# Allegro board A733_PRO3_AXP318_LPDDR5_FBGA315BALL_32X1_V2_0.brd (continued)
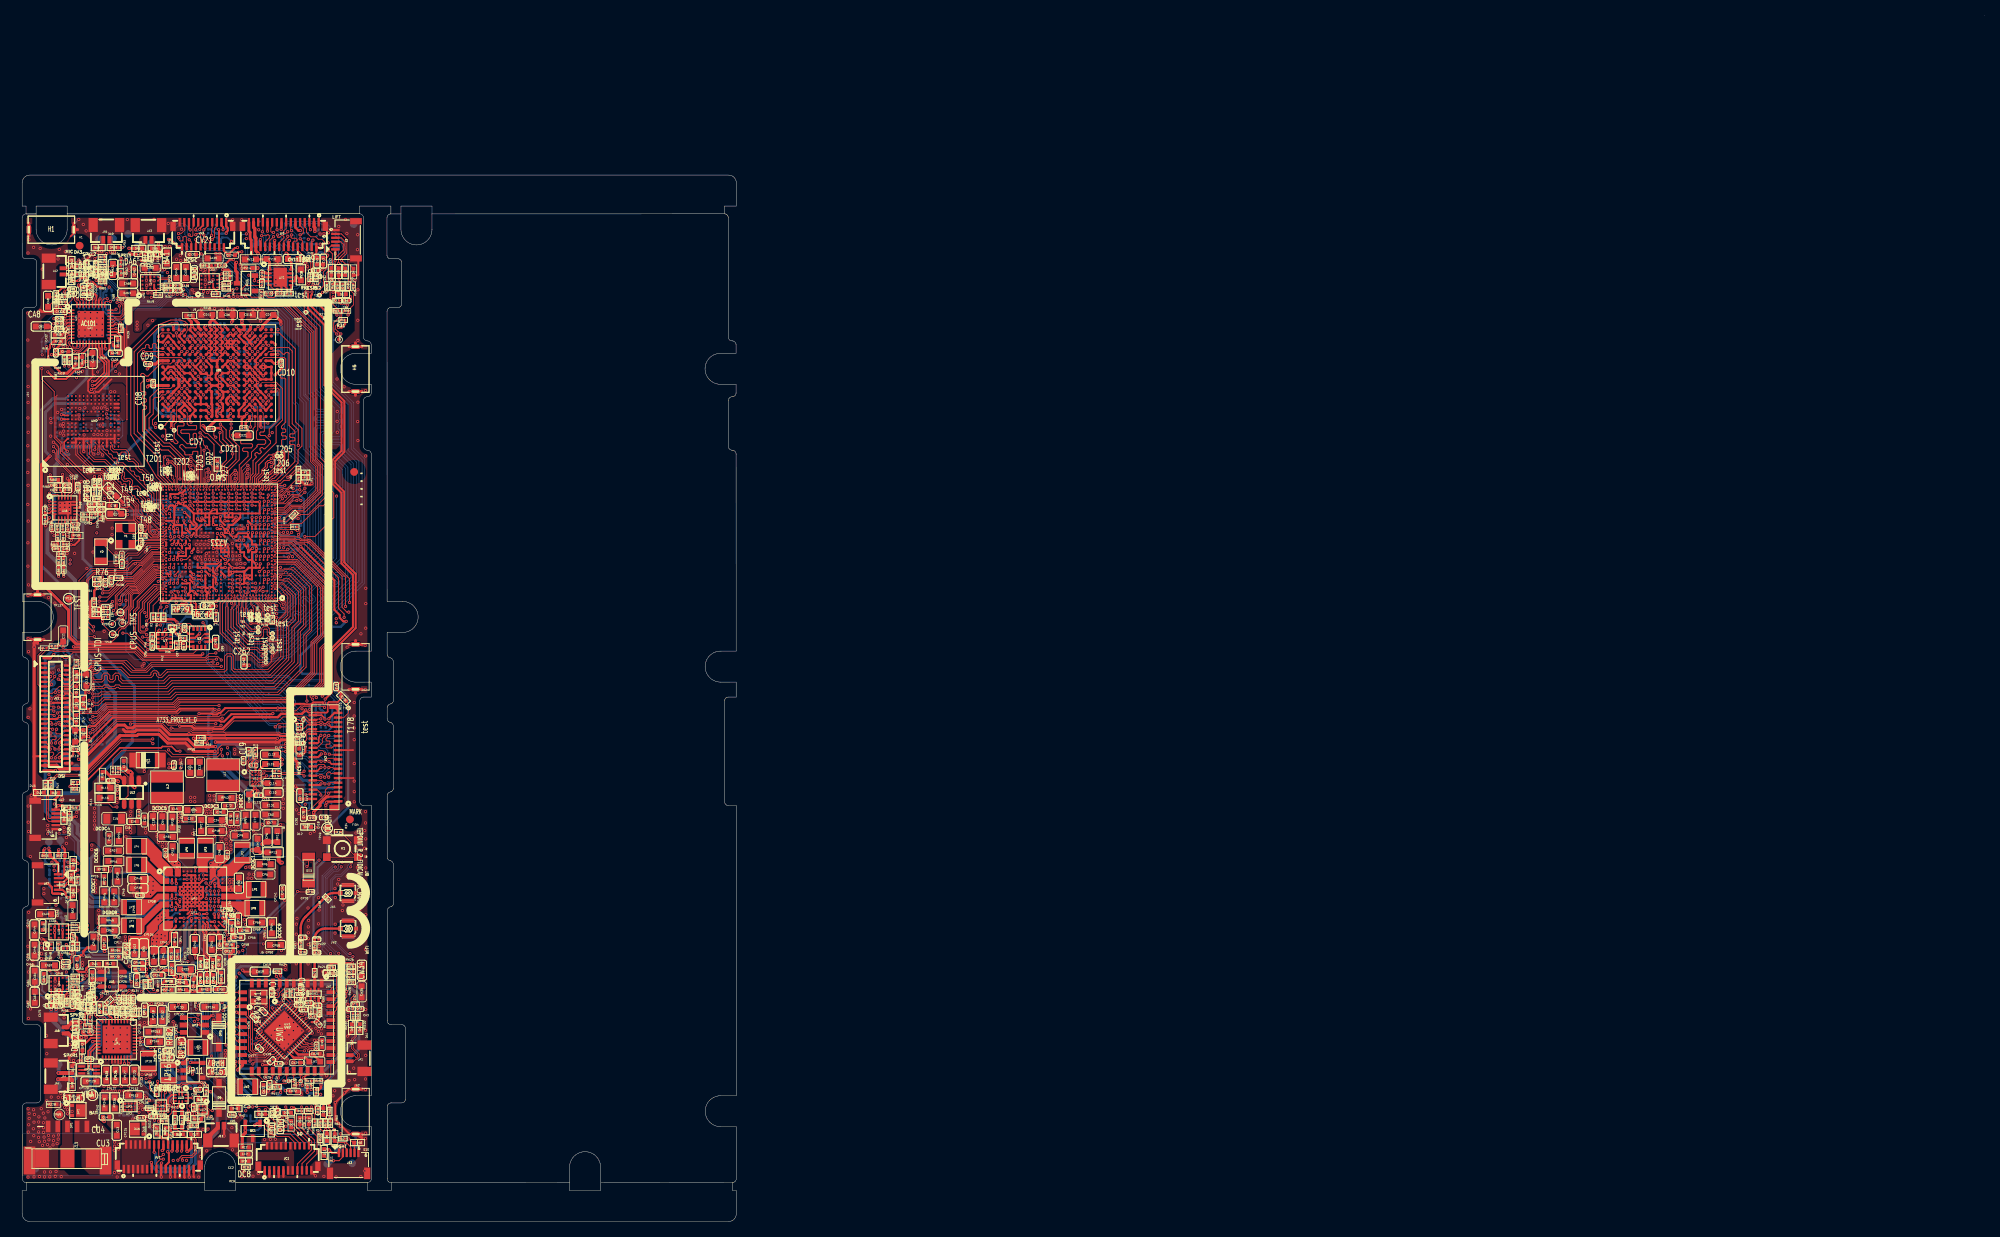
[diagram p0: board, top side]
## Nets (continued)
Pads without a net: FID1 1; FID2 1; FID3 1; FID4 1; JV1 6 27; JV2 27 28 29 30; JV3 6; NOREF 1; NOREF#2 1; U1 1A13 1A15 1AB23 1AB24 1AB26 1AD25 1AD26 1AF14 1B13 1B25 1B26 1C3 1C13 1D13 1E3 1E4 1E13 1F25 1H23 1H24 1L3 1M25 1Y22 1Y23 A18 A21 A22 A24 A25 A27 A30 A36 AK36 AL1 AL36 AM36 AN36 AN37 AP36 AP37 AR36 AT2 AT18 AT36 AT37 B1 B6 B18 B19 B20 B21 B22 B24 B25 B27 B30 B31 B32 B34 B35 B36 C2 F37 P2 W1; U2 2 3 10 11; U7 10; UD1 A1 A2 A14 A15 AA1 AA2 AA14 AA15 B1 B15 J4 J6 P1 P15 Y1 Y15; UM2 A1 A2 A10 A11 A12 A13 A14 B1 B3 B10 B13 B14 C10 C13 C14 D4 E6 E7 E9 E10 E13 E14 F10 G5 G13 G14 J10 J13 J14 K9 K10 L13 L14 M6 M7 M8 M9 M10 M11 N1 N6 N7 N10 N13 N14 P1 P2 P3 P6 P7 P10 P13 P14; UP1 L2 L8 M4 P4 P5 P8 P15 R14; UW2 5 8 10 11 32 35 37 38 39 40; UW3 8 9

## Via types
v1: diameter 0.406, hole 0.203, TOP to BOTTOM, 2261 vias
v2: diameter 0.4, hole 0.2, TOP to BOTTOM, 1 via

## Routing (per net, layer and track width the routed paths; a pad name or vN(x,y) marks a point on that pad's centre or on a via; arc(x,y) is an arc through that point)
AGND: length 2.3
  BOTTOM w0.254: C3.1 20.37,83.18 v1(20.28,83.27) ; v1(20.28,83.27) 20.28,83.61 C1.1 20.22,84.04 C4.1 ; v1(20.28,83.27) 19.92,82.91 R11.1
AVCC: length 185.9
  TOP w0.178: v1(26.18,84.89) 26.22,84.89 26.62,85.29 U1.1J11
  TOP w0.254: v1(25.55,90.93) 25.55,90.42 U1.1V12 ; U1.1T20 22.12,88.75 v1(21.79,88.41) ; v1(40.11,119.32) 40.11,119.3 40.13,119.29 40.13,119.18 40.32,118.99 40.32,118.86 R27.1 ; RP33.1 24.57,32.63 v1(24.31,32.37) 24.31,32.11 CP35.2
  TOP w0.305: R49.1 38.23,17 38.52,17.29 38.52,17.63 v1(38.53,17.64) ; v1(19.97,77.32) 19.59,77.7 R5.1 R2.1 17.53,77.71 R8.1
  L3 w0.305: v1(16.65,119.24) 16.65,118.28 15.66,117.29 15.66,114.57 12.97,111.89 12.97,110.58 v1(12.06,109.67) ; v1(16.53,32.78) 16.97,33.22 18.15,33.22 18.38,33 21.65,33 21.94,32.7 22.69,32.7 23.43,31.96 23.98,31.96 24.25,32.23 24.25,32.31 v1(24.31,32.37) 24.9,31.78 26.09,31.78 26.29,31.98 27.39,31.98 27.42,32 27.72,32 27.76,32.04 v1(27.99,32.04) ; v1(37.65,118.99) 35.9,118.99 32.34,122.55 29.03,122.55 28.76,122.29 28.76,121.66 27.68,120.57 v1(27.68,120.34)
  L3 w0.381: v1(19.97,77.32) 19.97,76.93 19.77,76.73 19.77,73.84 20.07,73.54 20.07,64.48 19.77,64.18 19.77,58.97 20.24,58.5 v1(20.4,58.5)
  L4 w0.254: v1(13.55,91.76) 12.83,91.76 10.92,93.67 10.92,96.42 8.79,98.55 8.79,105.19 12.03,108.43 12.03,109.31 12.06,109.34 v1(12.06,109.67) ; 21.99,86.84 21.99,87.75 21.79,87.94 v1(21.79,88.41) 21.76,88.44 21.76,88.68 21.76,88.69 21.76,88.7 21.64,88.82 20.86,88.82 20.61,89.08 20.61,89.6 20.46,89.75 20.46,90.66 20.8,91.01 21.08,91.01 21.43,91.36 21.85,91.36
  L4 w0.305: v1(40.11,119.32) 37.98,119.32 v1(37.65,118.99) ; v1(16.65,119.24) 18.67,119.24 18.76,119.14 21.71,119.14 21.9,119.33 25.36,119.33 26.61,120.59 27.43,120.59 v1(27.68,120.34)
  L4 w0.381: v1(16.53,32.78) 16.53,32.82 16.57,32.86 16.57,32.87 16.67,32.97 16.67,34.27 15.82,35.13 15.82,36.88 16.39,37.45 16.39,39.84 17.91,41.36 17.91,46.63 19.11,47.83 19.11,52.6 20.74,54.22 20.74,58.16 v1(20.4,58.5) ; v1(13.55,91.76) 13.79,92.01 20.71,92.01 20.78,92.07 21.16,92.07 21.85,91.38 21.85,91.36 25.12,91.36 v1(25.55,90.93)
  BOTTOM w0.254: v1(21.79,88.41) 21.68,88.53 21.68,88.54 21.44,88.78 20.96,88.78 20.84,88.91 C39.1 ; v1(17.55,82.58) 18.09,83.12 R12.1
  BOTTOM w0.305: v1(13.55,91.76) 13.6,91.7 C5.1 14.75,91.7 C38.1 15.39,91.69 C50.1 R70.2 R71.2 ; v1(25.55,90.93) 25.66,91.03 CD27.1 25.92,91.42 CD26.1
  BOTTOM w0.381: v1(38.53,17.64) 38.53,19.01 42.94,23.43 42.94,27.68 43.35,28.09 43.35,29.33 43.06,29.62 42.91,29.62 41.91,30.62 33.58,30.62 33.06,31.14 28.89,31.14 v1(27.99,32.04)
  vias: v1(21.59,84.35)
AVDD: length 34.3
  TOP w0.381: v1(24.84,60.66) 24.78,60.66 24.77,60.66 22.14,60.66 21.06,61.73 18.74,61.73 17.62,62.85 14.96,62.85 14.8,62.69 12.63,62.69
  TOP w0.457: 12.63,62.69 8.36,58.42 4.84,58.42 4.43,58.83 JL1.45
  BOTTOM w0.508: v1(31.29,54.71) 31.05,54.95 29.79,54.95 24.87,59.87 24.87,60.17 24.84,60.2 v1(24.84,60.66)
AVDD18: length 1.1
  TOP w0.203: CW13.2 31.7,26.93 UW3.5
AVDD-H-COMB0: length 209.1
  TOP w0.203: v1(20.94,91.48) 21,91.42 21.05,91.42 U1.1Y21
  TOP w0.254: v1(24.99,77.28) 24.98,77.29 R74.1 ; v1(29.07,89.81) 29.12,89.76 U1.1U6 ; v1(6.62,74.15) 6.71,74.07 14.87,74.07 15.9,73.04 23.08,73.04 v1(23.29,73.24)
  TOP w0.305: RP42.1 23.89,29.93 CP37.2 25.11,30.07 25.66,30.62 v1(25.66,30.73) 25.68,30.75 RP38.1 ; RP2.1 23.76,62.39 23.88,62.27 v1(23.88,62.24) 23.99,62.35 24.19,62.35 24.19,62.34 26.35,62.34 26.35,62.35 v1(32.89,62.35)
  L3 w0.254: v1(29.07,89.81) 29.08,89.85 29.55,90.32 32.5,90.32 33.28,89.53 33.28,88.75 34.02,88.01 35.81,88.01 36.35,87.47 36.35,77.8 34.38,75.83 34.38,70.96 33.43,70.01 33.43,65.04 33.7,64.77 33.7,63.15 v1(32.89,62.35)
  L3 w0.381: v1(24.4,21.34) 24.4,20.48 22.32,18.41 19.38,18.41 17.46,20.34 14.58,20.34 14.01,20.91 10.53,20.91 8.71,22.73 7.14,22.73 5.42,24.45 5.42,25.56 5.9,26.04 5.9,27.56 4.98,28.48 4.98,30.01 5.42,30.45 5.42,31.19 6.19,31.97 6.19,33.92 5.77,34.34 5.77,35 6.63,35.86 6.63,39.15 6.69,39.22 6.69,46.97 6.6,47.05 6.6,50.99 5.6,52 5.6,53.67 5.67,53.75 5.67,56.52 6.37,57.21 6.37,68.67 6.2,68.85 6.2,69.65 6.38,69.83 6.38,72.98 6.62,73.22 v1(6.62,74.15) 6.78,74.31 6.78,85.15 8.14,86.51 8.14,88.12 9.61,89.6 9.61,92.26 v1(10.61,93.27)
  L4 w0.254: v1(23.88,62.24) 23.88,62.96 23.29,63.55 v1(23.29,73.24) 23.29,73.66 23.97,74.34 23.97,75.17 24.99,76.19 v1(24.99,77.28)
  L4 w0.381: v1(10.61,93.27) 10.65,93.23 10.65,92.91 12.83,90.73 13.8,90.73 14.41,91.33 15.29,91.33 15.84,90.79 19.14,90.79 19.83,91.48 v1(20.94,91.48)
  BOTTOM w0.254: v1(29.07,89.81) 29.12,89.86 C133.1 ; v1(20.94,91.48) 19.51,91.48 18.65,92.34 18.22,92.34 C10.1 18.18,91.7 C125.1 18.18,91.62 18.03,91.48 18.03,91.47 17.91,91.35 17.9,91.35 17.7,91.14 R15.1
  BOTTOM w0.381: v1(25.66,30.73) 25.66,30.57 25.29,30.2 23.89,30.2 23.24,29.55 23.24,25.04 24.4,23.88 v1(24.4,21.34)
AVEE: length 21.7
  TOP w0.254: CL13.2 30.09,58.84 UL1.A2
  TOP w0.305: CL13.2 30.09,59.14 v1(30.26,59.31)
  TOP w0.381: v1(24.91,61.27) 24.14,61.27 24.09,61.22 23.68,61.22 23.65,61.25 22.34,61.25 21.35,62.24 18.92,62.24 17.74,63.42 14.74,63.42 14.52,63.19 13.33,63.19 13.04,63.48 ; 6.44,59.13 JL1.44
  BOTTOM w0.508: v1(24.91,61.27) 25.24,61.27 25.68,61.71 27.49,61.71 29.9,59.31 v1(30.26,59.31)
DVDD: length 2.4
  TOP w0.203: UA6.19 5.11,94.16 CA79.1 CA80.1
  TOP w0.254: RA60.2 4.65,95.43 4.9,95.18 CA80.1
DVDD-CSI-F: length 114.4
  TOP w0.254: UP1.N14 25.32,39.68 v1(25.32,39.68) ; CP55.2 27.83,37.59 v1(27.69,37.45) ; 39.4,54.8 39.42,54.82 JV2.3
  TOP w0.381: CV19.1 37.6,52.72 v1(37.57,52.74) 37.57,52.82 38.41,53.66 38.41,53.98 39.24,54.8 39.4,54.8
  TOP w0.406: JV1.3 37.63,128.33 37.74,128.23 v1(37.74,127.74)
  L3 w0.305: v1(37.74,127.74) 37.74,127.43 38.24,126.93 39.44,126.93 39.91,126.46 39.91,125.02 39.88,124.99 39.88,123.82 39.47,123.41 39.47,121.32 40.57,120.22 40.57,118.9 39.58,117.9 39.58,95.63 38.87,94.92 38.87,90.57 39.15,90.28 39.15,76.52 37.15,74.52 37.15,69.69 36.26,68.79 36.26,66.96 36.68,66.53 37.4,66.53 37.53,66.41 37.53,65.53 37.33,65.33 37.33,54.77 37.57,54.53 v1(37.57,52.74) 37.57,51.36 32.97,46.76 32.97,43.68 31.75,42.45 31.75,38.34 31.27,37.86 v1(31.27,37.78)
  BOTTOM w0.102: v1(37.74,127.74) 37.71,127.74 37.63,127.82 T135.1
  BOTTOM w0.254: CV7.1 37.98,127.77 37.77,127.77 v1(37.74,127.74) ; v1(37.57,52.74) 38.1,52.22 T154.1
  BOTTOM w0.305: v1(31.27,37.78) 30.74,37.26 28.07,37.26 27.87,37.45 v1(27.69,37.45) 27.56,37.45 v1(25.32,39.68)
DVDD-CSI-R2: length 118.7
  TOP w0.254: v1(25.9,127.96) 25.9,128.3 25.71,128.49 JV3.3 ; v1(39.07,67.4) 39.94,68.27 39.94,73.5 43,76.57 43,83.57 41.52,85.05 41.52,94.16 40.37,95.31 40.37,98.11 41.54,99.27 41.54,105.87 39.34,108.06 39.34,116.03 37.22,118.15 37.22,119.46 37.36,119.59 v1(37.36,119.93) ; UP1.N13 24.82,39.59 v1(24.75,39.66)
  TOP w0.305: CP141.2 33.56,41.69 v1(33.87,41.38)
  L3 w0.254: v1(37.36,119.93) 37.28,120 37.28,120.09 36.33,121.04 36.33,122.44 34.6,124.17 34.6,125.33 34.16,125.77 29.42,125.77 29.17,126.02 28.13,126.02 27.17,126.97 26.23,126.97 25.88,127.33 25.88,127.69 25.9,127.71 v1(25.9,127.96) ; v1(39.07,67.4) 39.06,67.4 39.03,67.37 38.81,67.37 38.27,66.83 38.27,65.22 38.07,65.02 38.07,56.07 39.09,55.05 39.09,54.74 38.63,54.29 38.63,49.99 34.35,45.71 34.35,45.68 34.34,45.67 34.34,41.85 v1(33.87,41.38)
  BOTTOM w0.254: CV26.1 26.19,128.14 26.02,127.96 v1(25.9,127.96)
  BOTTOM w0.305: v1(24.75,39.66) 24.75,39.76 25.13,40.14 25.58,40.14 27.7,38.02 28.02,38.02 28.37,37.67 30.48,37.67 31.22,38.41 31.22,38.73 v1(33.87,41.38)
GND: length 1094.3
  TOP w0.076: U1.AF36 17.65,90.4 16.28,91.77 v1(16.28,92.52) ; v1(33.69,88.92) 33.35,88.92 33.07,89.2 U1.AC2 ; 16.75,86.46 17.77,86.46 17.95,86.64 18.34,86.64 U1.T36 ; U1.L2 33.28,84.4 33.29,84.39 v1(33.31,84.39) ; U1.U2 33.06,86.8 v1(33.19,86.93) ; 29.96,95.2 29.78,95.02 29.78,94.41 U1.AT8 ; v1(25.55,102.37) 25.55,102.32 25.58,102.29 ; U1.AT24 23.37,94.46 23.61,94.7 23.61,94.73 23.62,94.74 23.62,94.99 23.34,95.28 23.34,95.87 23.46,95.98 23.46,96.97 23.57,97.09 v1(23.98,97.09) ; 18.42,87.74 18.33,87.84 18.08,87.84 17.84,87.6 15.81,87.6 15.67,87.46 ; U1.AN2 32.24,93.2 32.48,92.96 33.25,92.96 v1(33.55,93.26) ; v1(29.1,96.04) 29.1,96.1 29.42,96.41 29.42,97.18 29.1,97.5 v1(29.1,97.56) 28.42,96.88 28.42,94.63 28.19,94.4 U1.AT12 U1.AT13 27.53,94.65 27.53,95.09 27.46,95.16 v1(27.46,95.39) ; U1.AT17 26.09,94.48 26.09,95.48 ; U1.AT26 22.57,95.01 22.57,95.02 22.57,95.71 22.57,95.71 22.57,97.76 22.57,97.76 ; 17.83,86.99 18.05,86.99 18.08,86.96 18.27,86.96 18.51,87.2 ; U1.H2 v1(33.3,83.2) ; v1(26.99,79.77) 27.22,80 27.22,80.52 26.97,80.77 U1.B15
  TOP w0.089: UL1.D2 30.01,56.71 30.01,56.71 29.99,56.66 29.96,56.62 29.85,56.5 29.78,56.48 UL1.E1
  TOP w0.102: U1.AU22 24.49,95.12 24.49,97.46 ; 32.94,77.17 32.85,77.08 32.57,77.08 32.55,77.1 v1(31.62,77.1) 30.55,77.1 v1(30.5,77.15) 30.47,77.18 v1(29.5,77.18) ; 32.94,77.17 33.04,77.27 33.04,77.63 34.01,78.6 34.01,79.84 33.69,80.16 v1(33.68,80.16) 33.59,80.16 33.35,80.4 U1.A1 ; 32.94,77.17 32.94,74.85 ; 4.18,37.45 4.19,37.45 v1(4.19,37.27) 4.19,37.2 ; v1(18.73,96.12) 18.74,96.1 18.74,95.87 19.33,95.29 19.33,95.14 19.37,95.09 U1.AU34 ; 21.51,128.09 21.51,128.07 21.63,127.94 v1(21.66,127.94) ; v1(19.2,81.23) 19.35,81.23 U1.B33 ; v1(21.73,95.53) 22,95.53 22.1,95.62 22.1,95.9 22.1,95.91 22.1,96.88 21.93,97.05 v1(21.74,97.05) 21.42,97.38 21.42,98.24 v1(21.76,98.58) 22.57,97.76 ; v1(22.96,101.22) 22.96,101.11 23.37,100.7 23.37,100.25 ; v1(13.58,84.16) 14.3,84.88 v1(14.58,84.88) 14.76,85.06 15.36,85.06 16.75,86.46 ; v1(20.34,95.8) 20.34,97.54 19.1,98.77 18.47,98.77 v1(18.33,98.63) ; U1.AU1 32.63,94.86 33.06,94.86 33.17,94.97 v1(33.84,94.97) ; U1.A7 30.17,80.21 v1(31.64,78.75) ; v1(23.98,95.57) 24.31,95.9 24.31,96.76 v1(23.98,97.09) ; R46.2 16.66,75.72 16.29,75.35 15.6,75.35 v1(15.54,75.41) ; v1(27.46,95.39) 27.79,95.72 27.79,96.65 27.75,96.69 ; U1.1B3 30.62,81.73 v1(30.12,81.23) ; 32.94,74.85 31.95,74.85 31.81,74.99 v1(31.81,75.06) ; 32.94,74.85 32.94,73.6 32.42,73.07 32.36,73.07 v1(32.25,72.96) 32.15,72.86 32.15,72.26 31.65,71.77 v1(31.06,71.77) ; 26.09,95.48 26.09,97.54 27.14,98.59 v1(27.14,99.04) ; UW3.49 33.27,24.04
  TOP w0.114: 18.32,89.06 17.78,89.06 17.59,88.87 ; 18.42,87.74 18.56,87.6 U1.W36 ; v1(30.12,81.23) 30.11,81.23 29.98,81.35 29.93,81.35 ; 23.37,100.25 23.7,99.91 v1(23.76,99.91) 23.76,99.89 24.2,99.45 24.2,97.76 24.49,97.46 ; v1(9.24,99.01) 9.24,99.01 8.92,99.33 UM2.G1 ; 17.59,88.87 17.32,88.6 16.93,88.6 16.5,89.04 16.5,90.05 16.05,90.5 15.31,90.5 v1(14.97,90.84) 14.94,90.84 14.8,90.97 14.8,92.33 11.12,96.01 11.12,96.09 10.31,96.9 8.89,96.9 T189.1 8.8,97.05 6.92,98.93 UM2.C1 ; 17.59,88.87 17.59,88.95 17.25,89.29 16.78,89.29 ; U1.AC36 U1.AB36 ; 4.16,100.48 4.7,99.95 4.7,98.94 ; 24.72,102.19 24.72,101.44 24.96,101.2 v1(24.96,101.2) ; v1(25.49,95.24) 25.49,95.62 25.63,95.76 25.63,97.65 RD2.2 25.15,98.28 v1(25.22,98.36) ; UM2.J1 9.92,99.43 10.37,98.97 v1(10.37,98.89) ; 15.86,88.97 15.56,89.26 15.56,89.38 C69.2 ; 15.86,88.97 16.62,88.21 17.51,88.21 17.7,88.4 U1.AA37 ; 15.86,88.97 15.86,89.01 16.11,89.26 16.11,89.8 15.91,89.99 15.61,89.99 C69.2 ; 10.52,95.59 10.52,96.08 10.14,96.46 8.44,96.46 7.95,96.96 7.55,96.96 5.15,99.35 5.15,100.4 4.35,101.2 4.35,106.45 4.53,106.62 ; 10.52,95.59 10.52,94 11.25,93.27 C78.2 11.76,92.86 12.43,92.86 12.63,92.66 12.63,92.31 12.85,92.09 13.56,92.09 ; 10.52,95.59 10.53,95.58 10.93,95.58 13.56,92.96 13.56,92.09 ; v1(18.33,98.63) 18.33,98.57 18.25,98.49 18.25,97.48 v1(18.28,97.45) 18.28,96.57 v1(18.73,96.12) ; U1.AL37 17.88,92.69 17.88,94.51 U1.AU37 17.63,95.34 17.63,95.35 ; C69.2 15.25,89.66 14.43,90.48 ; C96.2 16.71,74.51 v1(16.2,75.02) ; v1(28.97,114.65) 28.93,114.6 28.93,114.59 28.65,114.26 UD1.T14 ; 13.56,92.09 13.72,92.25 13.9,92.25 14.38,91.77 14.38,90.6 14.39,90.59 14.39,90.52 14.43,90.48 ; v1(10.61,90.8) 10.93,90.48 14.43,90.48 ; U1.V36 18.51,87.2 ; 25.58,102.29 25.72,102.15 25.72,102.12 25.88,101.96 25.88,100.92 26.76,100.04 26.76,100.03 27.14,99.65 v1(27.14,99.04) ; CA63.2 13.57,119.1 13.57,118.5 13.68,118.4 13.68,116.8 13.49,116.62 13.49,106.75 13.5,106.75 13.5,106.74 13.51,106.72 13.51,103.48 13.5,103.47 13.5,103.45 13.49,103.44 ; v1(34.26,96.01) 35.4,97.15 R6.1 ; U1.AJ36 U1.AK37
  TOP w0.127: UM2.J1 UM2.J2 ; UM2.C1 UM2.C2 ; U1.1H14 25.2,84.92 25.25,84.92 25.27,84.94 25.32,84.94 25.61,85.23 25.61,85.29 25.62,85.3 25.62,85.32 25.62,85.32 U1.1J13 ; U1.AA37 U1.AB36 ; 18.32,89.06 18.43,89.06 U1.AC36 ; 29.96,95.2 29.96,96 30.51,96.55 30.51,97.62 31.8,98.91 32.32,98.91 ; U1.AJ36 18.86,91.89 18.86,92.16 18.87,92.17 ; 27.75,96.69 27.53,96.91 v1(27.46,96.91) 26.82,96.27 26.82,95.12 26.97,94.96 U1.AU15 ; v1(32.64,96.52) 32.27,96.14 32.19,96.14 31.11,95.06 31.11,94.53 U1.AT5 ; v1(13.58,84.16) 13.4,83.98 9.07,83.98 8.98,83.9 ; U1.AU10 28.97,95.84 29.1,95.96 v1(29.1,96.04) ; v1(25.49,95.24) 25.49,94.92 U1.AU19 ; 33.63,99.32 32.85,99.32 32.41,98.88 v1(32.38,98.88) 32.38,98.71 32.49,98.59 32.49,98.08 32.49,97.78 32.45,97.74 32.45,97.73 v1(32.11,97.39) ; UM2.G1 UM2.G2 ; v1(15.88,86.39) 16.47,86.99 17.83,86.99
  TOP w0.152: v2(31.15,57.87) 30.86,57.59 UL1.B3
  TOP w0.178: CW27.1 30.44,22.52 v1(30.14,22.22) ; v1(25.6,89.79) 25.69,89.79 U1.1U12 ; UP1.P14 UP1.R15 25.99,38 v1(26.25,38)
  TOP w0.203: UP1.P11 23.97,38.52 23.97,37.87 24.06,37.79 v1(24.06,37.75) ; v1(5.5,92.67) 5.69,92.86 UA6.15 ; CA81.2 7.07,89.27 CA102.2 7.07,90.44 v1(6.76,90.75) ; v1(7.61,95.49) 7.2,95.08 CA92.2 ; v1(5.5,91.65) 5.91,91.25 UA6.9 ; v1(5.5,92.16) 5.8,92.46 UA6.14 ; v1(22.38,126.68) 22.41,126.66 JV3.14 ; CA25.2 9.08,109.31 v1(9.29,109.1) 9.17,109.1 8.64,108.57 8.64,108.57 8.5,108.43 8.5,107.19 8.75,106.93 9.27,106.93 v1(9.35,107.02) 9.86,107.02 11.53,108.68 ; 15.63,111.15 v1(15.61,111.17) ; UM2.L3 UM2.M3 UM2.N3 UM2.N2 ; UM2.L3 UM2.K3 UM2.J3 UM2.J2 ; UM2.L3 UM2.L2 UM2.L1 ; v1(12,110.99) 11.74,110.99 11.6,110.85 11.6,110.25 ; RV17.1 34.15,120.38 33.29,121.24 UV1.11 33.14,121.68 33.14,120.83 33.44,120.52 RV19.1 ; JV2.38 38.61,65.32 39.04,64.89 v1(39.04,64.82) ; CA23.2 8.76,120.81 8.55,121.01 8.55,121.39 CA24.2 ; CA99.2 8.36,91.85 v1(8.34,91.83) ; 30.21,59.87 30.16,59.87 29.59,59.29 CL13.1 ; JV2.11 42.71,57.22 42.72,57.23 ; 42.65,60.82 JV2.23 ; H1.1 6.67,127.51 6.25,127.1 ; 40.98,69.53 40.72,69.27 CV9.1 ; JV2.26 38.11,61.72 38.23,61.84 38.23,62.46 v1(38.51,62.73) ; CA82.2 CA101.2 ; UD1.P6 UD1.N6 ; JV2.17 39.89,59.02 v1(39.56,59.35) ; UD1.N10 UD1.P10 ; v1(22.89,128) 22.89,128.1 23.31,128.52 JV3.11 ; v1(39.54,64.09) 39.81,63.82 JV2.33 ; JV2.14 38.05,58.12 v1(38.53,58.6)
  TOP w0.229: U1.1L11 U1.1M11 26.54,86.93 v1(26.54,87.3) 26.49,87.35 U1.1N12 ; U1.1L11 U1.1L12 ; U1.1L11 26.62,85.88 v1(26.59,85.85) 26.59,85.85 U1.1K12 ; v1(33.16,90.84) 33.12,90.8 U1.AG1 ; U1.1C17 U1.1B17 ; U1.1B17 U1.1A17 ; U1.1B17 23.61,81.83 23.25,81.83 v1(23.18,81.76) 23.1,81.83 22.64,81.83 U1.1B19 ; v1(24.23,84.05) 23.92,84.35 U1.1G17 ; U1.1M13 U1.1L13 U1.1L12 ; U1.1M13 U1.1M14 ; U1.1M13 26.15,86.85 ; U1.1M13 25.62,87.2 v1(25.55,87.27) ; 21.74,80.37 21.74,79.59 22.02,79.31 v1(22.02,79.24) ; 21.74,80.37 21.46,80.09 20.84,80.09 20.57,80.35 U1.A31 ; 21.74,80.37 U1.A28 ; v1(25.55,87.27) 25.47,87.35 U1.1N14 ; v1(25.55,87.27) 25.63,87.35 U1.1N12 ; v1(25.55,87.27) v1(25.55,87.83) ; v1(25.06,80.02) 25,79.96 23.98,79.96 v1(23.77,80.17) U1.B23 ; 26.15,86.85 26.12,86.83 U1.1L12 ; 26.15,86.85 v1(26.16,86.86) 26.12,86.9 U1.1N12 ; v1(27.91,86.86) 27.62,87.15 U1.1N9 ; v1(27.91,86.86) 28.12,86.65 U1.1L8 U1.1L7 28.62,85.85 U1.1J6 ; v1(27.91,86.86) 28.12,87.07 U1.1N8 ; U1.1AD12 26.52,92.85 v1(26.63,92.95) ; U1.1N12 26.12,87.74 v1(26.11,87.75) 26.04,87.83 v1(25.55,87.83) ; U1.1N15 U1.1N14 ; U1.1N15 U1.1P15 U1.1P14 ; U1.1N15 24.62,86.86 v1(24.65,86.84) 24.65,86.85 U1.1M14 ; U1.1N14 U1.1P14 ; U1.1N14 U1.1M14 ; U1.1AA18 U1.1AA17 U1.1AA16 ; U1.1AA18 U1.1AA20 ; U1.1AA18 U1.1AB18 22.7,91.85 22.65,91.91 v1(22.63,91.91) ; U1.1B15 24.62,81.81 v1(25.05,81.38) ; v1(25.63,92.95) 25.52,92.85 U1.1AD14 ; v1(25.55,87.83) 25.53,87.85 U1.1P14 ; U1.1AF24 U1.1AF26 ; U1.1AA16 U1.1Y16 U1.1Y17 ; U1.1AA16 U1.1AA14 U1.1AA12 U1.1Y12 U1.1Y11 U1.1Y10 U1.1AA10 U1.1AA8 ; v1(30.61,92.85) 30.61,92.85 U1.1AD4 29.7,92.85 29.63,92.92 v1(29.63,92.96) 29.52,92.85 U1.1AD6 ; v1(27.28,88.29) 27.18,88.29 26.57,88.9 v1(26.57,88.92) 26.54,88.95 v1(26.54,89.46) ; U1.1G5 U1.1J5 30.12,84.85 v1(30.2,84.85) 30.12,84.78 U1.1G4 ; v1(27.14,83.71) 27.28,83.85 U1.1F9 U1.1F7 ; v1(27.14,83.71) 27,83.85 U1.1F11 ; v1(27.14,83.71) 26.78,83.35 U1.1E11 U1.1F11 ; U1.1AA8 U1.1Y8 ; U1.1AA8 U1.1AA6 U1.1AA5 U1.1AA4 U1.1AA3 U1.1AC3 ; U1.1R14 U1.1P14 ; v1(19.46,90.24) 19.62,90.4 U1.1Y25 ; U1.A37 18.17,80.08 v1(17.89,79.8) 18.73,79.8 v1(18.8,79.87) ; U1.A33 U1.B33 ; U1.1AD18 23.52,92.85 v1(23.63,92.95) ; v1(29.12,83.26) 29.03,83.35 U1.1E7 ; v1(29.12,83.26) 29.12,82.98 29.25,82.85 U1.1D5 ; v1(29.12,83.26) 28.72,82.85 U1.1D7 ; v1(30.71,84.85) 30.62,84.77 U1.1G3 ; U1.1K22 U1.1M22 ; U1.1AD16 24.52,92.85 v1(24.63,92.95) ; U1.1F11 U1.1G11 ; U1.AL37 U1.AK37 ; U1.1AD10 27.52,92.85 v1(27.63,92.96) ; U1.1R9 27.62,88.55 27.87,88.79 29.08,88.79 29.12,88.84 ; U1.1C9 28.04,82.35 v1(28.12,82.27) 28.54,82.27 U1.1C7 29.04,82.35 v1(29.12,82.27) ; U1.B29 21.37,80.95 21.62,81.2 U1.1A21 U1.1B21 U1.1C21 21.28,82.35 21.23,82.31 20.67,82.31 U1.1C23 ; U1.1AD20 22.52,92.85 v1(22.62,92.95) ; C134.2 19.49,59.06 19.23,59.06 19.22,59.05 v1(18.9,59.05) ; U1.1AD8 28.52,92.85 v1(28.63,92.95) ; U1.1V23 U1.1T23